# Altium PCB MB1312.PcbDoc (part 1 of 4) (continued)
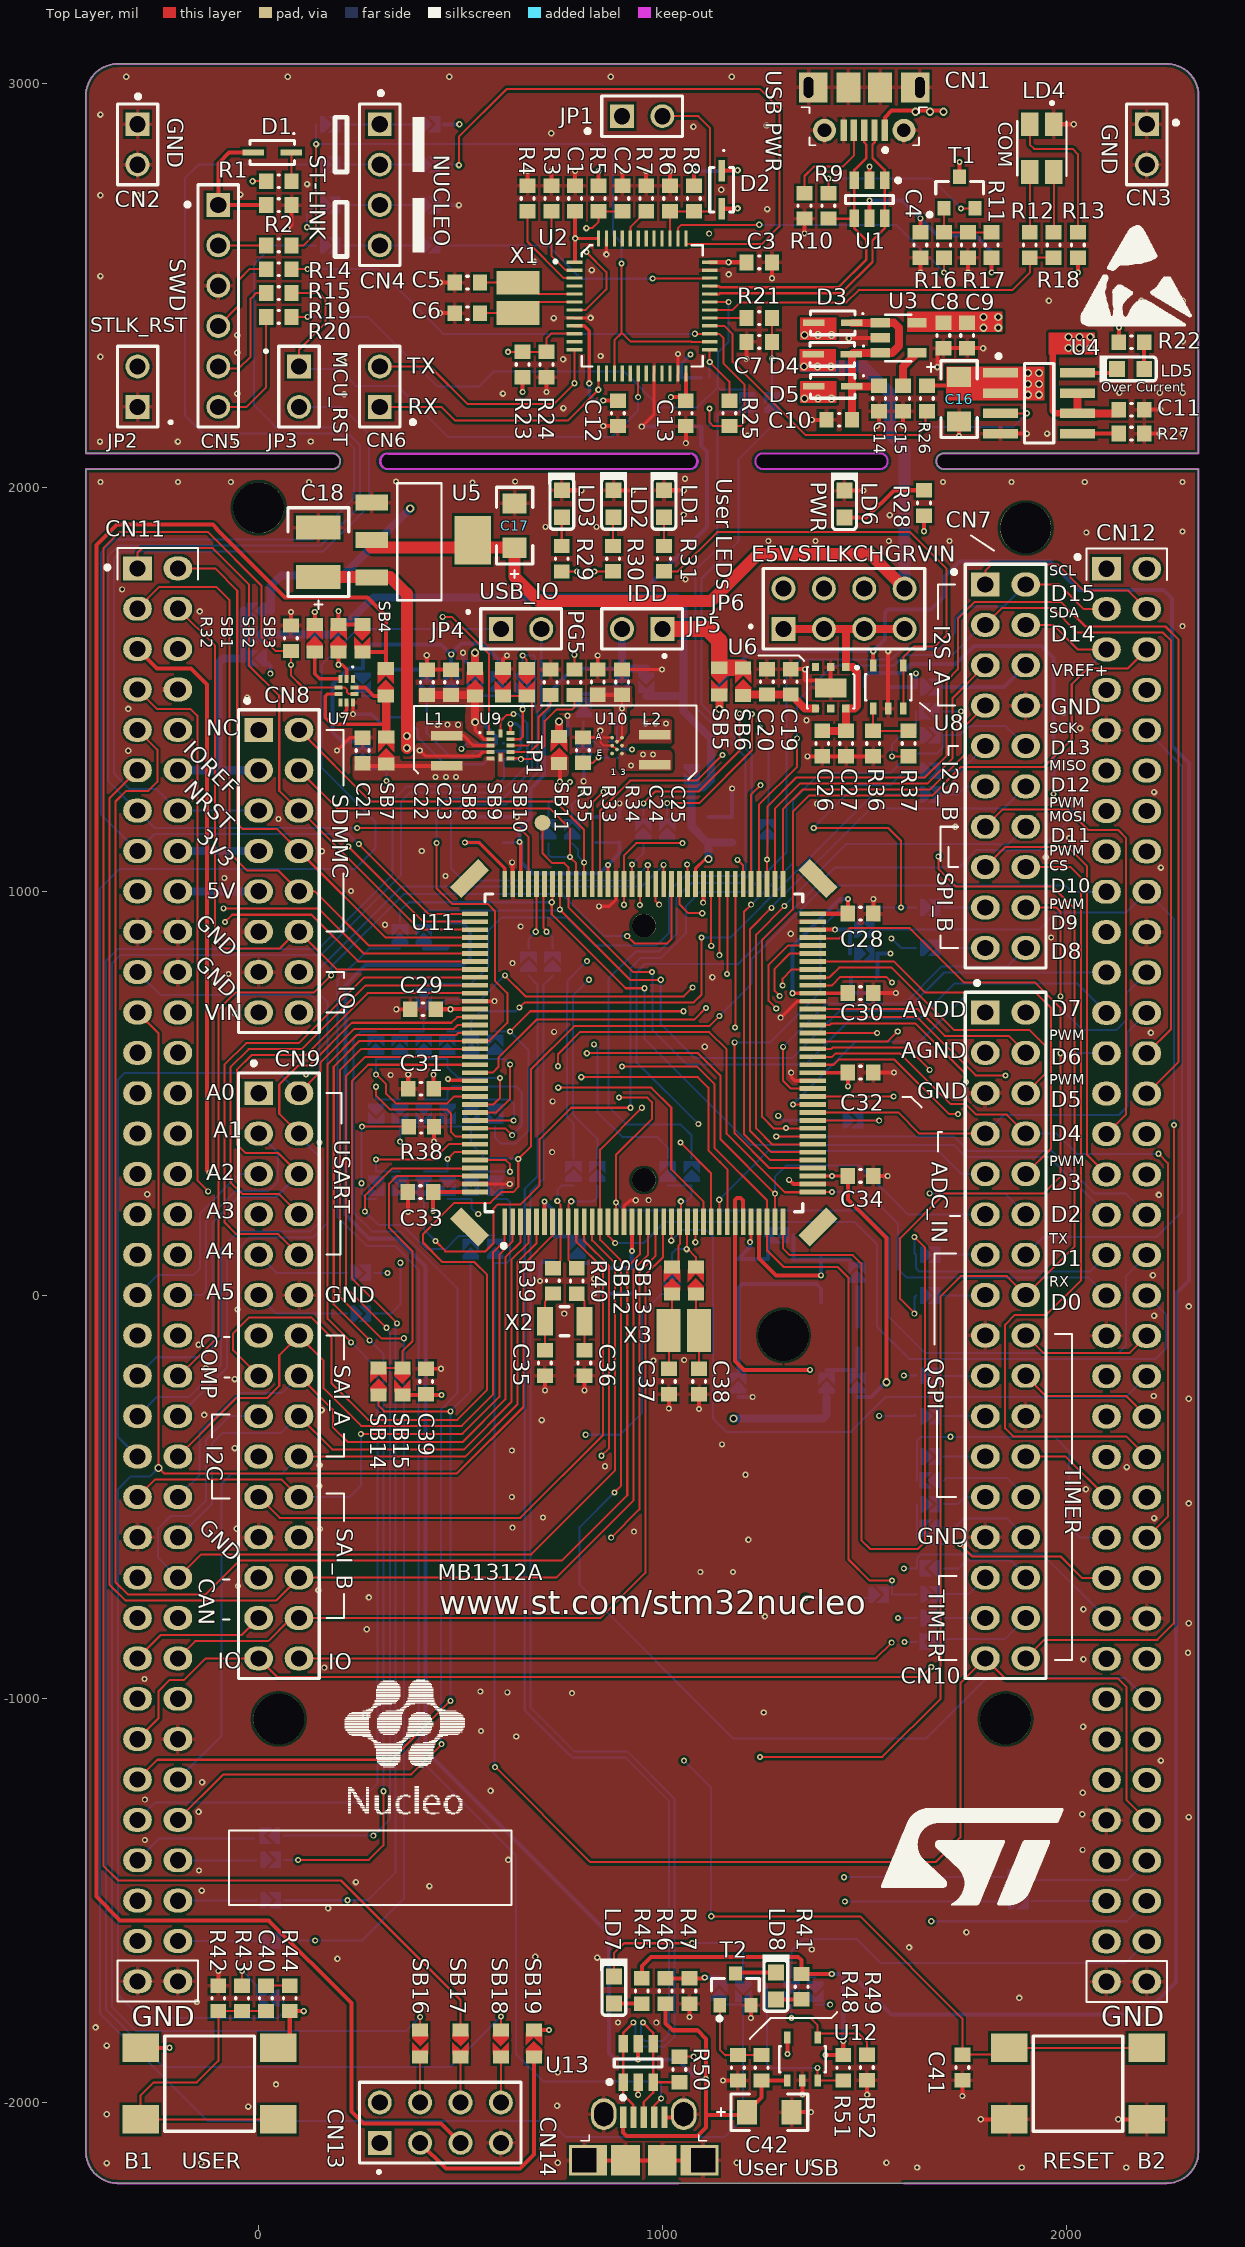
[diagram p0: Top Layer view]
## Design rules (kind name [scope] priority, off if disabled: settings)
Clearance U7_PAD [(ObjectKind = 'Pad') And (Component = 'U7') vs (ObjectKind = 'Pad') And (Component = 'U7')] p1: gap=5.9
Clearance U9_PAD [(ObjectKind = 'Pad') And (Component = 'U9') vs (ObjectKind = 'Pad') And (Component = 'U9')] p2: gap=5.9
Clearance SB [(HasFootprint('SB_0603')) or (HasFootprint('JP2_SMD'))] p3: gap=5
Clearance D6_PAD [(ObjectKind = 'Pad') And (Component = 'D300') vs (ObjectKind = 'Pad') And (Component = 'D300')] p4: gap=7.8
Clearance Polygon [(ObjectKind = 'Poly')] p5: gap=10
Clearance [All] p6: gap=6
DiffPairsRouting [All] p1: maxlimit=10 minlimit=8.9 mostfreqgap=8.9 maxuncoupledlength=500
FabricationTestPointUsage TestPointUsage [All] p1: valid=0 allowmultiple=FALSE
FabricationTestpoint Testpoint [(IsPad And (OnTopLayer Or OnBottomLayer))] p1: side=3 testpointundercomponent=TRUE minsize=40 maxsize=100 preferedsize=60 minholesize=0 maxholesize=40 preferedholesize=32 testpointgrid=1 allowsidetop=TRUE allowsidebottom=TRUE usegrid=TRUE gridtolerance=0.01
HoleSize [All] p1: absolutevalues=TRUE maxlimit=150 minlimit=1 maxpercent=80.000 minpercent=20.000
MinimumSolderMaskSliver [All] p1: minsoldermaskwidth=0
PolygonConnect netc315 [(ObjectKind = 'Poly') And (Net = 'NetC315_2')] p1: connectstyle=Direct reliefconductorwidth=10 reliefentries=4 polygonreliefangle="90 Angle"
PolygonConnect AVDD [(ObjectKind = 'Poly') And (Net = 'AVDD')] p2: connectstyle=Direct reliefconductorwidth=10 reliefentries=4 polygonreliefangle="90 Angle"
PolygonConnect AGND [(ObjectKind = 'Poly') And (Net = 'AGND')] p3: connectstyle=Direct reliefconductorwidth=10 reliefentries=4 polygonreliefangle="90 Angle"
PolygonConnect netc11 [(ObjectKind = 'Poly') And (Net = 'NetC11_2')] p4: connectstyle=Direct reliefconductorwidth=10 reliefentries=4 polygonreliefangle="90 Angle"
PolygonConnect NETSB368 [(ObjectKind = 'Poly') And (Net = 'NetSB368_1')] p5: connectstyle=Direct reliefconductorwidth=10 reliefentries=4 polygonreliefangle="90 Angle"
PolygonConnect Netc306 [(ObjectKind = 'Poly') And (Net = 'NetC306_2')] p6: connectstyle=Direct reliefconductorwidth=10 reliefentries=4 polygonreliefangle="90 Angle"
PolygonConnect NetL301 [(ObjectKind = 'Poly') And (Net = 'NetL301_1')] p7: connectstyle=Direct reliefconductorwidth=10 reliefentries=4 polygonreliefangle="90 Angle"
PolygonConnect Net308 [(ObjectKind = 'Poly') And (Net = 'NetC308_2')] p8: connectstyle=Direct reliefconductorwidth=10 reliefentries=4 polygonreliefangle="90 Angle"
PolygonConnect netc303 [(ObjectKind = 'Poly') And (Net = 'NetC303_2')] p9: connectstyle=Direct reliefconductorwidth=10 reliefentries=4 polygonreliefangle="90 Angle"
PolygonConnect netl300 [(ObjectKind = 'Poly') And (Net = 'NetL300_1')] p10: connectstyle=Direct reliefconductorwidth=10 reliefentries=4 polygonreliefangle="90 Angle"
PolygonConnect NETC304 [(ObjectKind = 'Poly') And (Net = 'NetC304_2')] p11: connectstyle=Direct reliefconductorwidth=10 reliefentries=4 polygonreliefangle="90 Angle"
PolygonConnect VBAT [(ObjectKind = 'Poly') And (Net = 'VBAT')] p12: connectstyle=Direct reliefconductorwidth=10 reliefentries=4 polygonreliefangle="90 Angle"
PolygonConnect VDD [(ObjectKind = 'Poly') And (Net = 'VDD')] p13: connectstyle=Direct reliefconductorwidth=10 reliefentries=4 polygonreliefangle="90 Angle"
PolygonConnect VIN [(ObjectKind = 'Poly') And (Net = 'VIN')] p14: connectstyle=Direct reliefconductorwidth=10 reliefentries=4 polygonreliefangle="90 Angle"
PolygonConnect +3V3 [(ObjectKind = 'Poly') And (Net = '+3V3')] p15: connectstyle=Direct reliefconductorwidth=10 reliefentries=4 polygonreliefangle="90 Angle"
PolygonConnect E5V [(ObjectKind = 'Poly') And (Net = 'E5V')] p16: connectstyle=Direct reliefconductorwidth=10 reliefentries=4 polygonreliefangle="90 Angle"
PolygonConnect +5V [(ObjectKind = 'Poly') And (Net = '+5V')] p17: connectstyle=Direct reliefconductorwidth=10 reliefentries=4 polygonreliefangle="90 Angle"
PolygonConnect U5V [(ObjectKind = 'Poly') And (Net = 'U5V')] p18: connectstyle=Direct reliefconductorwidth=10 reliefentries=4 polygonreliefangle="90 Angle"
PolygonConnect VIA [IsVia] p19: connectstyle=Direct reliefconductorwidth=20 reliefentries=4 polygonreliefangle="90 Angle"
PolygonConnect [All] p20: connectstyle=Relief reliefconductorwidth=10 reliefentries=4 polygonreliefangle="90 Angle"
RoutingLayers [All] p1: top layer_v5=FALSE mid layer 1_v5=FALSE mid layer 2_v5=FALSE mid layer 3_v5=FALSE mid layer 4_v5=FALSE bottom layer_v5=FALSE
RoutingVias [All] p1: holewidth=12 width=20 viastyle="Through Hole" minholewidth=8 minwidth=15 maxholewidth=28 maxwidth=50
SilkToSilkClearance [All] p1: silktosilkclearance=4
SilkscreenOverComponentPads [IsPad] p1: minsilkscreentomaskgap=4
SolderMaskExpansion [All] p1: expansion=4
Width PWR [InNetClass('PWR')] p1: maxlimit=100 minlimit=8 preferedwidth=10 midlayer1_minwidth=10 midlayer2_minwidth=10 midlayer3_minwidth=10 midlayer4_minwidth=10 bottomlayer_minwidth=10 minimp=50.000000 maximp=50.000000 favimp=50.000000
Width [All] p2: maxlimit=100 minlimit=5 preferedwidth=5 minimp=50.000000 maximp=50.000000 favimp=50.000000
20 further rules are at their usual default settings.

## Classes and differential pairs
net class PH[0..1]: PH0 PH1
component class "U_SMPS power supply": C21 C22 C23 C24 C25 C46 C47 C48 CN13 L1 L2 R32 R33 R34 R35 R53 SB1 SB2 SB3 SB4 SB7 SB8 SB9 SB10 SB11 SB16 SB17 SB18 SB19 SB113 SB114 SB115 SB116 SB117 SB118 SB120 SB121 SB122 SB125 SB127 SB129 U7 U9 U10 U15 U16
component class U_Connectors: C45 CN7 CN8 CN9 CN10 CN11 CN12 LD1 R31 R36 R37 SB110 SB111 SB112 SB119 SB123 SB124 SB126 SB128 SB133 SB136 SB137 SB140 SB144 SB145 SB146 SB147 SB150 SB151 SB153 SB155 SB156 SB157 SB159 SB168 SB169 SB170 SB177 SB179 SB180 SB182 SB188 SB191 SB192 SB193 SB194 SB195 SB196 SB300 SB301 SB374 U8
component class U_ST_LINK_V2-1: C1 C2 C3 C4 C5 C6 C7 C8 C9 C10 C12 C13 C14 C15 C43 C44 CN1 CN2 CN3 CN4 CN5 CN6 D1 D2 D3 D4 D5 JP1 JP2 JP3 LD4 R1 R2 R3 R4 R5 R6 R7 R8 R9 R10 R11 R12 R13 R14 R15 R16 R17 R18 R19 R20 R21 R23 R24 R25 SB100 SB101 SB102 SB103 SB104 SB105 SB106 SB107 SB108 SB109 SB141 SB321 T1 U1 U2 U3 U14 X1
net class PC[0..15]: PC0 PC1 PC2 PC3 PC4 PC5 PC6 PC7 PC8 PC9 PC10 PC11 PC12 PC13 PC14 PC15
net class PB[0..15]: PB0 PB1 PB2 PB3 PB4 PB5 PB6 PB7 PB8 PB9 PB10 PB11 PB12 PB13 PB14 PB15
net class PA[0..15]: PA0 PA1 PA2 PA3 PA4 PA5 PA6 PA7 PA8 PA9 PA10 PA11 PA12 PA13 PA14 PA15
net class PD[0..15]: PD0 PD1 PD2 PD3 PD4 PD5 PD6 PD7 PD8 PD9 PD10 PD11 PD12 PD13 PD14 PD15
net class PE[0..15]: PE0 PE1 PE2 PE3 PE4 PE5 PE6 PE7 PE8 PE9 PE10 PE11 PE12 PE13 PE14 PE15
net class PF[0..15]: PF0 PF1 PF2 PF3 PF4 PF5 PF6 PF7 PF8 PF9 PF10 PF11 PF12 PF13 PF14 PF15
net class PG[0..15]: PG0 PG1 PG2 PG3 PG4 PG5 PG6 PG7 PG8 PG9 PG10 PG11 PG12 PG13 PG14 PG15
component class MB1312: C11 C16 C17 C18 C19 C20 C26 C27 JP5 JP6 LD5 LD6 R22 R26 R27 R28 SB5 SB6 U4 U5 U6
component class U_STM32L_144: B1 B2 C28 C29 C30 C31 C32 C33 C34 C35 C36 C37 C38 C39 C40 C41 C49 C50 C51 C52 C53 C54 C55 C56 C57 C58 C59 C60 C61 C310 C313 JP4 L3 LD2 LD3 R29 R30 R38 R39 R40 R42 R43 R44 R54 SB12 SB13 SB14 SB15 SB130 SB131 SB132 SB134 SB135 SB138 SB139 SB142 SB143 SB148 SB149 SB152 SB154 SB158 SB160 SB161 SB162 SB163 SB164 SB165 SB166 SB167 SB171 SB172 SB173 SB174 SB175 SB176 SB178 SB181 SB183 SB184 SB185 SB186 SB187 SB189 SB190 SB197 SB341 SB349 TP1 U11 X2 X3
component class U_USB: C42 CN14 CN300 D6 D300 LD7 LD8 R41 R45 R46 R47 R48 R49 R50 R51 R52 R61 R62 R63 R64 R68 R69 R70 R71 R72 R76 SB198 SB199 SB200 SB201 SB352 SB354 T2 U12 U13 U306

## Components (designator, comment, footprint, x,y, rotation, side; value= is the part's Value field where it differs from the comment)
B1 "USER (Blue)" PB-6X6mm-Blue -122,-1953 r180 top
B2 "TD-0341 [RESET/Black]" PB-6X6mm-Black 2029,-1953 r180 top
C1 "100nF" 0603C 784,2716 r270 top
C2 "100nF" 0603C 901,2716 r270 top
C3 "100nF" 0603C 1240,2558 r180 top
C4 "100nF" 0603C 1639,2601 r90 top
C5 "10pF" 0603C 517,2508 r180 top
C6 "10pF" 0603C 517,2432 r180 top
C7 "20pF[N/A]" 0603C 1240,2361 r180 top
C8 "100nF" 0603C 1696,2377 r90 top locked
C9 "1uF_X5R_0603" 0603C 1755,2377 r270 top
C10 "100nF" 0603C 1438,2168 r0 top
C11 "100nF" 0603C 2162,2193 r180 top
C12 "100nF" 0603C 890,2184 r90 top
C13 "100nF" 0603C 1058,2184 r90 top
C14 "1uF_X5R_0603" 0603C 1537,2221 r90 top
C15 "10nF_X7R_0603" 0603C 1596,2221 r90 top
C16 "4.7uF" TAN-A 1735,2219 r90 top
C17 "10uF" TAN-A 634,1906 r270 top (schematic designator C18)
C18 "10uF(25V)" TAN-B 148,1840 r270 top (schematic designator C17)
C19 "1uF_X5R_0603" 0603C 1318,1519 r90 top (schematic designator C20)
C20 "100nF" 0603C 1259,1519 r270 top (schematic designator C19)
C21 "10uF" 0603C 257.53,1348.75 r270 top (schematic designator C308)
C22 "10uF" 0603C 416.59,1517.75 r270 top (schematic designator C306)
C23 "100nF" 0603C 476.84,1517.75 r90 top (schematic designator C307)
C24 "100nF" 0603C 839.83,1518.25 r90 top (schematic designator C305)
C25 "10uF" 0603C 900.31,1518.25 r270 top (schematic designator C304)
C26 "100nF" 0603C 1396,1366 r90 top (schematic designator C22)
C27 "1uF_X5R_0603" 0603C 1455,1366 r270 top (schematic designator C23)
C28 "100nF" 0603C 1491,945 r0 top (schematic designator C58)
C29 "100nF" 0603C 407,708 r180 top (schematic designator C28)
C30 "100nF" 0603C 1491,748 r0 top (schematic designator C29)
C31 "100nF" 0603C 402,511 r180 top (schematic designator C33)
C32 "100nF" 0603C 1491,551 r0 top (schematic designator C31)
C33 "100nF" 0603C 401,255 r180 top (schematic designator C39)
C34 "100nF" 0603C 1491,295 r0 top (schematic designator C32)
C35 "2.7pF" 0603C 709,-168 r270 top
C36 "2.7pF" 0603C 807,-168 r270 top
C37 "4.3pF[N/A]" 0603C 1016,-214 r270 top
C38 "4.3pF[N/A]" 0603C 1091,-214 r270 top
C39 "1nF" 0603C 415,-214 r270 top (schematic designator C310)
C40 "[N/A]" 0603C 18,-1742 r270 top (schematic designator C52)
C41 "100nF" 0603C 1743,-1913 r90 top (schematic designator C53)
C42 "4.7uF" TAN-A 1265,-2024 r180 top (schematic designator C54)
C43 "CC0603KRX7R7BB104" 0603C 1016,2272 r0 bottom (schematic designator C301)
C44 "CC0603KRX7R7BB104" 0603C 1016,2151 r180 bottom (schematic designator C302)
C45 "[N/A]" 0603C 1533.25,1506 r180 bottom (schematic designator C300)
C46 "10uF[N/A]" 0603C 746,1337 r270 bottom (schematic designator C315)
C47 "10uF" 0603C 1013.47,1291.06 r90 bottom (schematic designator C303)
C48 "100nF" 0603C 317,1337 r90 bottom (schematic designator C314)
C49 "100nF" 0603C 546,1152.75 r90 bottom (schematic designator C30)
C50 "100nF" 0603C 605,1152.75 r90 bottom (schematic designator C24)
C51 "100nF" 0603C 835,1152.75 r90 bottom (schematic designator C27)
C52 "4.7uF_X5R_0603" 0603C 894,1152.75 r90 bottom (schematic designator C316)
C53 "100nF" 0603C 1114,1152.75 r90 bottom (schematic designator C26)
C54 "4.7uF_X5R_0603" 0603C 1173,1152.75 r90 bottom (schematic designator C21)
C55 "1nF" 0603C 1499,787 r0 bottom (schematic designator C309)
C56 "TAJA105K016R" TAN-A 1188,34.5 r90 bottom (schematic designator C312)
C57 "100nF" 0603C 1262,58.5 r270 bottom (schematic designator C313)
C58 "100nF" 0603C 1321,58.8 r270 bottom (schematic designator C34)
C59 "TAJA105K016R" TAN-A 1404,37 r90 bottom (schematic designator C311)
C60 "1uF_X5R_0603" 0603C 732,114 r270 bottom (schematic designator C57)
C61 "100nF" 0603C 924,35 r270 bottom (schematic designator C25)
CN1 "1050170001" Molex_1050170001 1500,2885 r180 top
CN2 "" HDR_1x2_2R54_V_M -300,2900 r270 top locked
CN3 "" HDR_1x2_2R54_V_M 2200,2900 r270 top locked
CN4 "Header 4" HDR_1x4_2R54_V_M 300,2900 r270 top locked
CN5 "Header 6X1" HDR_1x6_2R54_V_M -100,2700 r270 top locked (schematic designator CN6)
CN6 "" HDR_1x2_2R54_V_M_S 300,2200 r90 top locked (schematic designator CN5)
CN7 "Header 10X2_Female" HDR_10x2_2R54_V_F 1800,1760 r270 top locked
CN8 "Header 8X2_Female" HDR_8x2_2R54_V_F 0,1400 r270 top locked
CN9 "Header 15X2_Female" HDR_15x2_2R54_V_F 0,500 r270 top locked
CN10 "Header 17X2_Female" HDR_17x2_2R54_V_F 1800,700 r270 top locked
CN11 "Header 36X2" HDR_2x36_2R54_V_M -300,1800 r270 top locked
CN12 "Header 36X2" HDR_2x36_2R54_V_M 2100,1799 r270 top locked
CN13 "Header 4X2[N/A]" HDR_4x2_2R54_V_M 300,-2100 r0 top (schematic designator CN300)
CN14 "Micro-AB or Micro-B" "Micro-AB or MicroB" 954,-2086 r0 top
D1 "BAT60JFILM" SOD-323 34,2830 r0 top
D2 "BAT60JFILM" SOD-323 1147,2738 r90 top
D3 "BAT60JFILM" SOD-323 1422,2408 r0 top
D4 "BAT60JFILM" SOD-323 1421,2330 r0 top
D5 "BAT60JFILM" SOD-323 1422,2251 r0 top
D6 "ESDALC6V1-1U2" ESDALC6V1-1U2 997,-1935 r90 bottom (schematic designator D300)
JP1 "" HDR_1x2_2R54_V_M_S 900,2920 r0 top locked
JP2 "" HDR_1x2_2R54_V_M_S -300,2200 r90 top (schematic designator JP301)
JP3 "" HDR_1x2_2R54_V_M_S 100,2300 r270 top (schematic designator JP300)
JP4 "" HDR_1x2_2R54_V_M_S 600,1650 r0 top locked
JP5 "" HDR_1x2_2R54_V_M_S 1000,1650 r180 top
JP6 "Header 4X2" HDR_4x2_2R54_V_M 1300,1650 r0 top locked (schematic designator JP3)
L1 "2.2uH[VLS252010HBX-2R2M-1]" L1008_L0805_CPT 466,1348 r270 top (schematic designator L301)
L2 "2.2uH[VLS252010HBX-2R2M-1]" L1008_L0805_CPT 981,1351 r270 top (schematic designator L300)
L3 "BEAD" 0603L 1483.53,-105 r270 bottom (schematic designator L1)
LD1 "Green" 0603D-G 1004,1960 r270 top
LD2 "Blue" 0603D-B 879,1960 r270 top
LD3 "Red" 0603D-R 751,1960 r270 top
LD4 "LD_BICOLOR_CMS" HSMF-A201 1940,2841 r270 top
LD5 "Red" 0603D-R 2160,2294 r0 top
LD6 "Green" 0603D-G 1451.04,1959.33 r270 top
LD7 "Red" 0603D-R 880,-1721 r270 top
LD8 "Green" 0603D-G 1281.01,-1711 r270 top
R1 "100[N/A]" 0603R 50,2759 r180 top
R2 "10K" 0603R 50,2700 r0 top
R3 "10K" 0603R 725,2716 r270 top (schematic designator R4)
R4 "10K[N/A]" 0603R 666,2716 r270 top (schematic designator R3)
R5 "100K" 0603R 842,2716 r90 top
R6 "4K7" 0603R 1019,2716 r90 top (schematic designator R7)
R7 "100K" 0603R 960,2716 r270 top (schematic designator R6)
R8 "2K7" 0603R 1078,2716 r270 top locked
R9 "1K5" 0603R 1411,2698 r90 top
R10 "100K" 0603R 1352,2698 r270 top (schematic designator R11)
R11 "10K" 0603R 1815.7,2601 r270 top (schematic designator R12)
R12 "100" 0603R 1910,2601 r90 top (schematic designator R13)
R13 "0" 0603R 2029,2601 r270 top (schematic designator R14)
R14 "22" 0603R 50,2600 r0 top (schematic designator R10)
R15 "22" 0603R 50,2541 r0 top (schematic designator R19)
R16 "100" 0603R 1697.7,2601 r270 top (schematic designator R15)
R17 "36K" 0603R 1756.7,2601 r90 top (schematic designator R16)
R18 "100" 0603R 1969,2601 r90 top (schematic designator R17)
R19 "22" 0603R 50,2482 r0 top (schematic designator R22)
R20 "22" 0603R 50,2423 r0 top (schematic designator R23)
R21 "100" 0603R 1240,2420 r0 top (schematic designator R20)
R22 "1K" 0603R 2162,2360 r0 top (schematic designator R21)
R23 "4K7" 0603R 654,2304.7 r90 top (schematic designator R25)
R24 "4K7" 0603R 713,2304.7 r90 top
R25 "100[N/A]" 0603R 1166,2184 r270 top (schematic designator R26)
R26 "10K" 0603R 1655,2221 r270 top (schematic designator R27)
R27 "2K7" 0603R 2162,2134 r180 top (schematic designator R28)
R28 "1K" 0603R 1648,1962 r270 top (schematic designator R29)
R29 "1K" 0603R 750.75,1823.97 r90 top (schematic designator R30)
R30 "680" 0603R 878,1824 r90 top (schematic designator R31)
R31 "510" 0603R 1004,1824 r90 top (schematic designator R32)
R32 "33K" 0603R 80,1627 r90 top (schematic designator R302)
R33 "0" 0603R 723,1518 r270 top (schematic designator R304)
R34 "1M" 0603R 782,1518 r270 top (schematic designator R301)
R35 "19.6K[1%]" 0603R 803,1349.75 r270 top (schematic designator R300)
R36 "200K" 0603R 1522,1366 r270 top (schematic designator R33)
R37 "10K" 0603R 1610,1366 r270 top (schematic designator R34)
R38 "10K" 0603R 403,417 r0 top (schematic designator R36)
R39 "0" 0603R 729,35.25 r90 top (schematic designator R37)
R40 "0" 0603R 788,35 r90 top (schematic designator R38)
R41 "330" 0603R 1345.01,-1713 r90 top (schematic designator R64)
R42 "220K" 0603R -100,-1742 r90 top (schematic designator R58)
R43 "330" 0603R -41,-1742 r90 top (schematic designator R59)
R44 "100" 0603R 77,-1742 r90 top (schematic designator R60)
R45 "620" 0603R 949,-1724 r90 top (schematic designator R61)
R46 "430K" 0603R 1008,-1724 r90 top (schematic designator R62)
R47 "620K" 0603R 1067,-1724 r270 top (schematic designator R63)
R48 "22K" 0603R 1187,-1914 r90 top (schematic designator R69)
R49 "47K" 0603R 1246,-1914 r90 top (schematic designator R68)
R50 "1K5" 0603R 1042,-1918 r90 top (schematic designator R70)
R51 "47K" 0603R 1448,-1914 r270 top (schematic designator R71)
R52 "10K" 0603R 1506.68,-1913 r90 top (schematic designator R72)
R53 "11.8K[1%]" 0603R 317,1518 r270 bottom (schematic designator R303)
R54 "10K" 0603R 468,891 r270 bottom (schematic designator R35)
SB1 "Circuit Breaker" SB_0603 139,1627 r270 top (schematic designator SB331)
SB2 "Circuit Breaker" SB_0603 197.77,1627.06 r270 top (schematic designator SB337)
SB3 "Circuit Breaker" SB_0603 257,1627 r90 top (schematic designator SB335)
SB4 "Circuit Breaker" SB_0603 315,1517.75 r270 top (schematic designator SB334)
SB5 "Closed" SB_0603 1141,1520 r90 top locked (schematic designator SB2)
SB6 "Closed" SB_0603 1200,1519 r270 top (schematic designator SB3)
SB7 "Circuit Breaker" SB_0603 316,1348.75 r270 top (schematic designator SB339)
SB8 "Circuit Breaker" SB_0603 536,1517.75 r270 top (schematic designator SB330)
SB9 "Circuit Breaker" SB_0603 605,1518 r90 top (schematic designator SB370)
SB10 "Circuit Breaker" SB_0603 664,1518 r90 top (schematic designator SB366)
SB11 "Circuit Breaker" SB_0603 744,1350 r270 top (schematic designator SB368)
SB12 "Open" SB_0603 1024,36 r270 top locked (schematic designator SB8)
SB13 "Open" SB_0603 1083,36 r270 top locked (schematic designator SB9)
SB14 "Circuit Breaker" SB_0603 297,-214 r270 top (schematic designator SB358)
SB15 "Circuit Breaker" SB_0603 356,-214 r90 top (schematic designator SB360)
SB16 "Circuit Breaker" SB_0603 400,-1854 r90 top (schematic designator SB328)
SB17 "Circuit Breaker" SB_0603 500,-1854 r90 top (schematic designator SB332)
SB18 "Circuit Breaker" SB_0603 600,-1854 r90 top (schematic designator SB329)
SB19 "Open" SB_0603 682,-1854 r270 top (schematic designator SB325)
SB100 "Closed" SB_0603 176,2900 r180 bottom (schematic designator SB101)
SB101 "Open" SB_0603 424,2900 r180 bottom (schematic designator SB102)
SB102 "Closed" SB_0603 176,2800 r180 bottom (schematic designator SB103)
SB103 "Open" SB_0603 424,2800 r180 bottom (schematic designator SB104)
SB104 "Closed" SB_0603 176,2700 r180 bottom (schematic designator SB105)
SB105 "Open" SB_0603 424,2700 r180 bottom (schematic designator SB106)
SB106 "Closed" SB_0603 176,2600 r180 bottom (schematic designator SB108)
SB107 "Open" SB_0603 424,2600 r180 bottom (schematic designator SB109)
SB108 "Open" SB_0603 1210,2209.75 r270 bottom (schematic designator SB321)
SB109 "Open" SB_0603 1272,2209.75 r270 bottom (schematic designator SB112)
SB110 "Open" SB_0603 -3.75,1695 r0 bottom (schematic designator SB113)
SB111 "Open" SB_0603 -3.75,1577 r0 bottom (schematic designator SB114)
SB112 "Closed" SB_0603 -3.75,1636 r0 bottom (schematic designator SB300)
SB113 "Open" SB_0603 258,1518 r90 bottom (schematic designator SB338)
SB114 "Closed" SB_0603 416.3,1518 r90 bottom (schematic designator SB336)
SB115 "Circuit Breaker" SB_0603 535.6,1518.33 r90 bottom (schematic designator SB369)
SB116 "Open" SB_0603 477,1518 r270 bottom (schematic designator SB333)
SB117 "Circuit Breaker" SB_0603 594.6,1518.33 r270 bottom (schematic designator SB340)
SB118 "Circuit Breaker" SB_0603 654,1518.25 r90 bottom (schematic designator SB367)
SB119 "Open" SB_0603 1662.25,1506 r180 bottom (schematic designator SB301)
SB120 "Open" SB_0603 805,1454.75 r270 bottom (schematic designator SB326)
SB121 "Open" SB_0603 899.79,1518 r90 bottom (schematic designator SB323)
SB122 "Closed" SB_0603 960,1518 r90 bottom (schematic designator SB322)
SB123 "Open" SB_0603 1662,1387 r180 bottom (schematic designator SB119)
SB124 "Closed" SB_0603 1662.25,1446 r0 bottom (schematic designator SB120)
SB125 "Closed" SB_0603 805,1337 r270 bottom (schematic designator SB327)
SB126 "Closed" SB_0603 1662,1299 r180 bottom (schematic designator SB302)
SB127 "Open" SB_0603 1072.47,1291.06 r90 bottom (schematic designator SB324)
SB128 "Closed" SB_0603 1662,1240 r180 bottom (schematic designator SB303)
SB129 "Open" SB_0603 258,1337 r270 bottom (schematic designator SB373)
SB130 "Closed" SB_0603 1012,1153 r270 bottom (schematic designator SB6)
SB131 "Closed" SB_0603 953,1153 r270 bottom (schematic designator SB5)
SB132 "Closed" SB_0603 1261,1152.75 r270 bottom (schematic designator SB118)
SB133 "Closed" SB_0603 1662,960 r180 bottom (schematic designator SB304)
SB134 "Circuit Breaker" SB_0603 350,892 r270 bottom (schematic designator SB125)
SB135 "Circuit Breaker" SB_0603 409,892 r270 bottom (schematic designator SB127)
SB136 "Closed" SB_0603 717.7,1152.75 r270 bottom (schematic designator SB117)
SB137 "Closed" SB_0603 776.7,1152.75 r270 bottom (schematic designator SB116)
SB138 "Circuit Breaker" SB_0603 1499,905 r180 bottom (schematic designator SB357)
SB139 "Circuit Breaker" SB_0603 1499,846 r180 bottom (schematic designator SB359)
SB140 "Closed" SB_0603 1662,860 r180 bottom (schematic designator SB305)
SB141 "Closed" SB_0603 409,737 r90 bottom (schematic designator SB110)
SB142 "Closed" SB_0603 728,824.75 r270 bottom (schematic designator SB133)
SB143 "Closed" SB_0603 668.57,824.75 r270 bottom (schematic designator SB132)
SB144 "Closed" SB_0603 1471,433 r180 bottom (schematic designator SB374)